# KiCad board panel.kicad_pcb (continued)
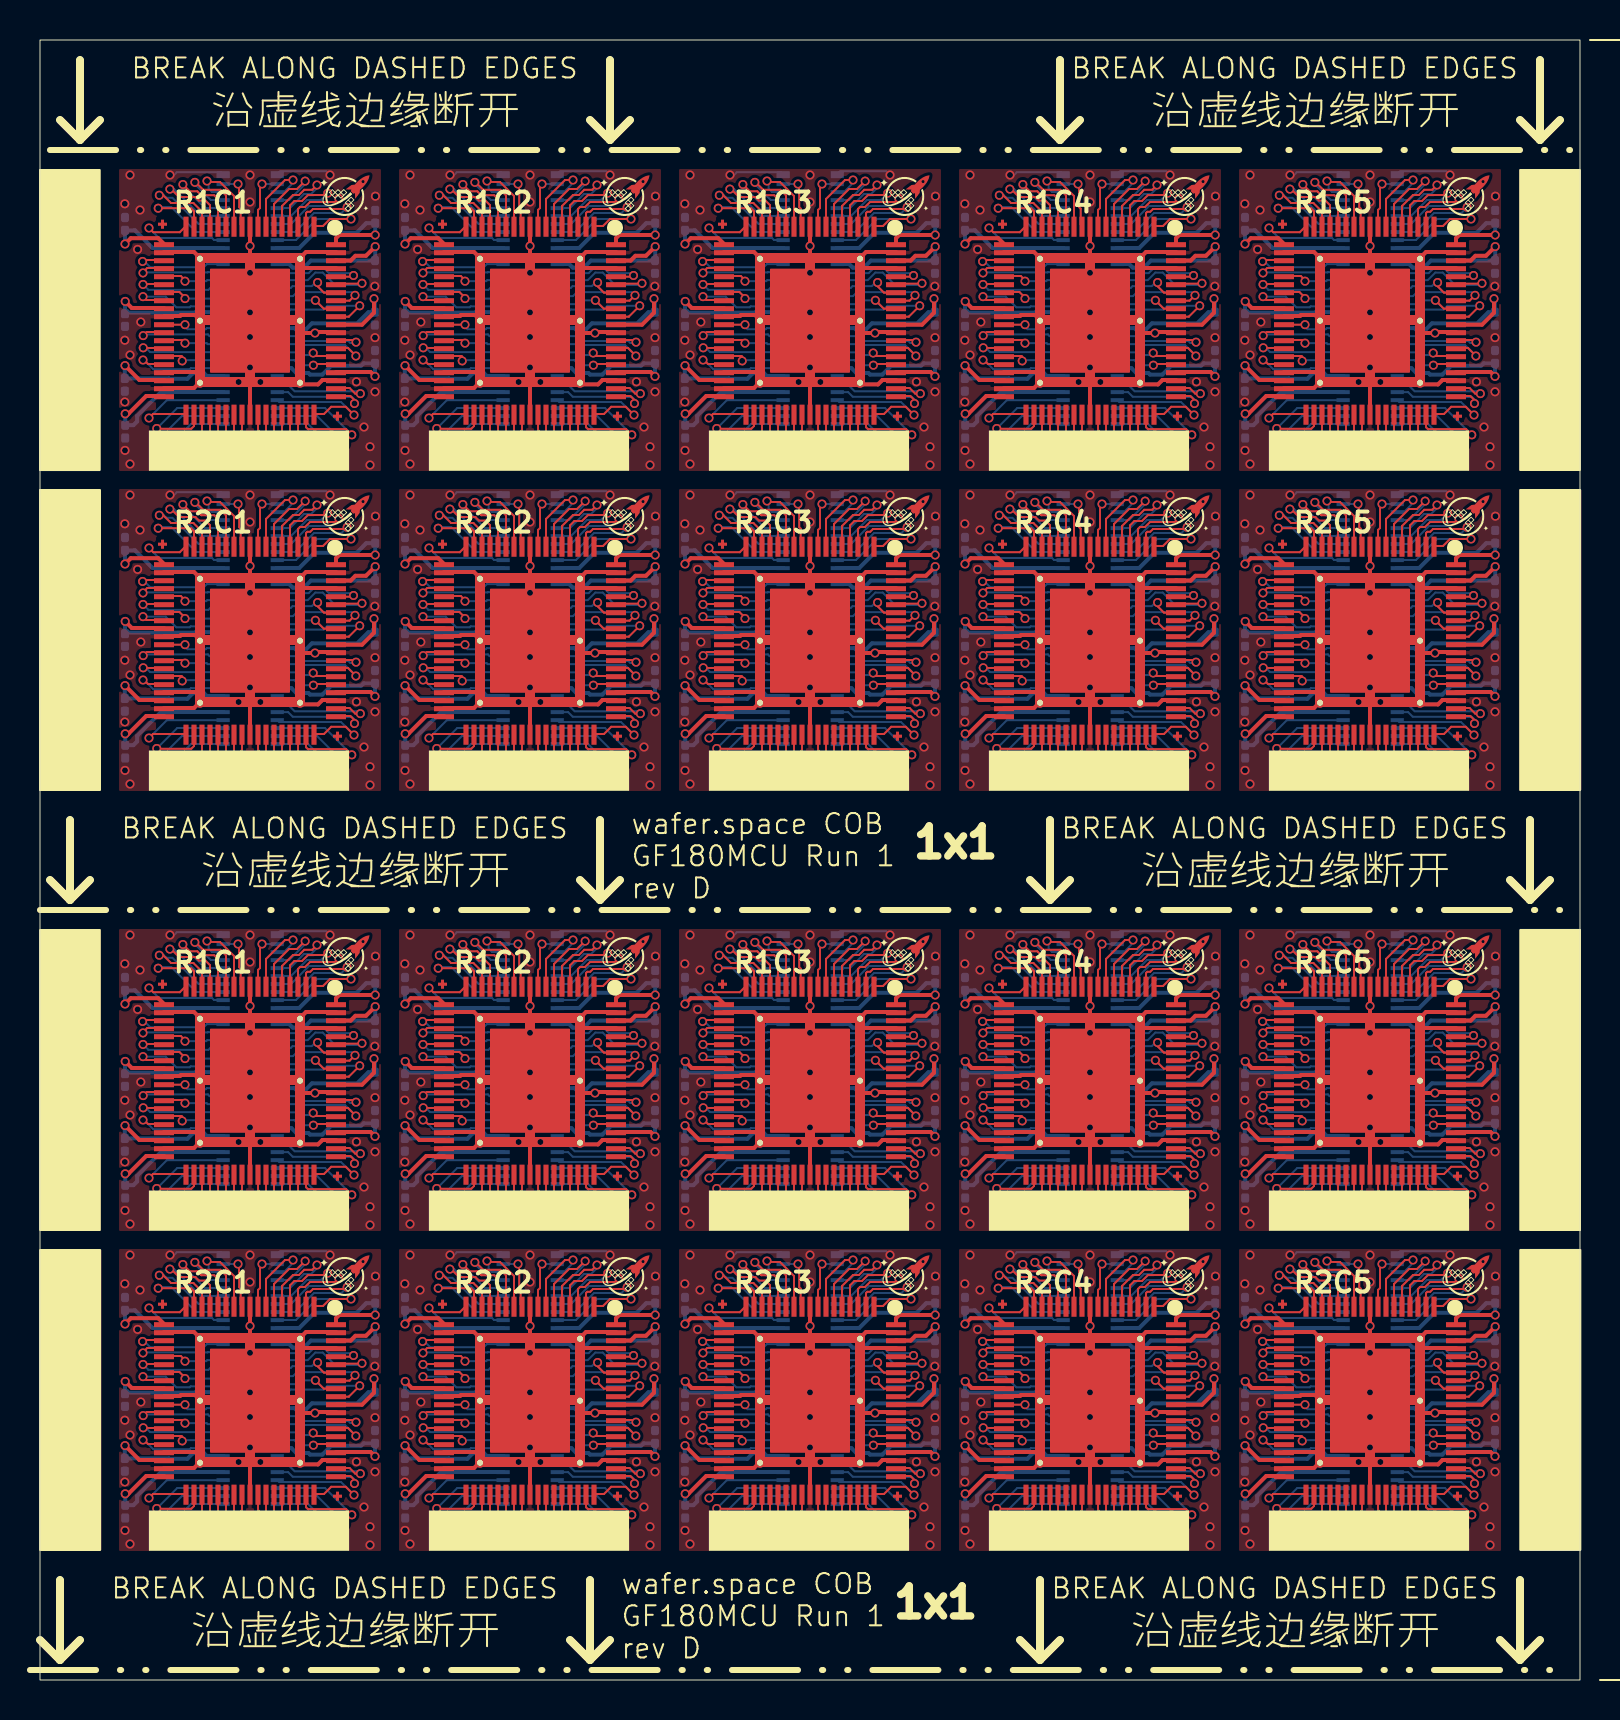
[diagram p0: board, top side]
## Routing (per net, layer and track width the routed paths; a pad name or vN(x,y) marks a point on that pad's centre or on a via; arc(x,y) is an arc through that point) (continued)
/pad_29: length 60.8
  Top w0.1: 48.2,13 49.09,13 v1(49.25,12.84) ; v1(49.25,28.84) 49.09,29 48.2,29 ; 48.2,67 49.09,67 v1(49.25,66.84) ; 6.2,67 7.09,67 v1(7.25,66.84) ; 6.2,13 7.09,13 v1(7.25,12.84) ; 20.2,51 21.09,51 v1(21.25,50.84) ; 20.2,29 21.09,29 v1(21.25,28.84) ; v1(7.25,50.84) 7.09,51 6.2,51 ; v1(7.25,28.84) 7.09,29 6.2,29 ; 34.2,67 35.09,67 v1(35.25,66.84) ; 34.2,51 35.09,51 v1(35.25,50.84) ; 62.2,51 63.09,51 v1(63.25,50.84) ; 34.2,13 35.09,13 v1(35.25,12.84) ; 62.2,67 63.09,67 v1(63.25,66.84) ; 62.2,29 63.09,29 v1(63.25,28.84) ; 62.2,13 63.09,13 v1(63.25,12.84) ; v1(21.25,12.84) 21.09,13 20.2,13 ; v1(35.25,28.84) 35.09,29 34.2,29 ; 20.2,67 21.09,67 v1(21.25,66.84) ; v1(49.25,50.84) 49.09,51 48.2,51
  Bottom w0.1: v1(7.25,28.84) 8.33,28.84 8.38,28.8 U101#2.50 ; U113.50 22.38,12.8 22.33,12.84 v1(21.25,12.84) ; v1(35.25,50.84) 36.33,50.84 36.38,50.8 U115.50 ; U109.50 64.38,66.8 64.33,66.84 v1(63.25,66.84) ; v1(49.25,12.84) 50.33,12.84 50.38,12.8 U117.50 ; v1(63.25,28.84) 64.33,28.84 64.38,28.8 U109#2.50 ; U111#2.50 8.38,12.8 8.33,12.84 v1(7.25,12.84) ; v1(49.25,66.84) 50.33,66.84 50.38,66.8 U107.50 ; U115#2.50 36.38,12.8 36.33,12.84 v1(35.25,12.84) ; U111.50 8.38,50.8 8.33,50.84 v1(7.25,50.84) ; U119#2.50 64.38,50.8 64.33,50.84 v1(63.25,50.84) ; U113#2.50 22.38,50.8 22.33,50.84 v1(21.25,50.84) ; U103.50 22.38,28.8 22.33,28.84 v1(21.25,28.84) ; U101.50 8.38,66.8 8.33,66.84 v1(7.25,66.84) ; U105.50 36.38,28.8 36.33,28.84 v1(35.25,28.84) ; v1(49.25,28.84) 50.33,28.84 50.38,28.8 U107#2.50 ; U119.50 64.38,12.8 64.33,12.84 v1(63.25,12.84) ; U105#2.50 36.38,66.8 36.33,66.84 v1(35.25,66.84) ; v1(21.25,66.84) 22.33,66.84 22.38,66.8 U103#2.50 ; v1(49.25,50.84) 50.33,50.84 50.38,50.8 U117#2.50
/pad_30: length 102.5
  Top w0.1: 62.2,28.6 61.3,28.6 61.29,28.61 v1(61.16,28.61) ; v1(33.16,50.61) 33.29,50.61 33.3,50.6 34.2,50.6 ; 6.2,28.6 5.3,28.6 5.29,28.61 v1(5.16,28.61) ; 20.2,66.6 19.3,66.6 19.29,66.61 v1(19.16,66.61) ; 48.2,12.6 47.3,12.6 47.29,12.61 v1(47.16,12.61) ; v1(5.16,50.61) 5.29,50.61 5.3,50.6 6.2,50.6 ; 48.2,28.6 47.3,28.6 47.29,28.61 v1(47.16,28.61) ; 34.2,28.6 33.3,28.6 33.29,28.61 v1(33.16,28.61) ; v1(5.16,12.61) 5.29,12.61 5.3,12.6 6.2,12.6 ; 20.2,12.6 19.3,12.6 19.29,12.61 v1(19.16,12.61) ; v1(47.16,50.61) 47.29,50.61 47.3,50.6 48.2,50.6 ; v1(47.16,66.61) 47.29,66.61 47.3,66.6 48.2,66.6 ; 34.2,12.6 33.3,12.6 33.29,12.61 v1(33.16,12.61) ; 62.2,50.6 61.3,50.6 61.29,50.61 v1(61.16,50.61) ; v1(19.16,50.61) 19.29,50.61 19.3,50.6 20.2,50.6 ; v1(61.16,12.61) 61.29,12.61 61.3,12.6 62.2,12.6 ; v1(5.16,66.61) 5.29,66.61 5.3,66.6 6.2,66.6 ; 20.2,28.6 19.3,28.6 19.29,28.61 v1(19.16,28.61) ; v1(33.16,66.61) 33.29,66.61 33.3,66.6 34.2,66.6 ; 62.2,66.6 61.3,66.6 61.29,66.61 v1(61.16,66.61)
  Bottom w0.1: v1(61.16,66.61) 61.29,66.61 61.51,66.4 U109.49 ; v1(33.16,28.61) 33.29,28.61 33.51,28.39 37.15,28.39 ; 51.15,50.39 47.51,50.39 47.29,50.61 v1(47.16,50.61) ; 65.16,28.39 61.51,28.39 61.29,28.61 v1(61.16,28.61) ; v1(33.16,12.61) 33.29,12.61 33.51,12.39 37.15,12.39 ; 23.15,28.39 19.51,28.39 19.29,28.61 v1(19.16,28.61) ; 37.15,50.39 33.51,50.39 33.29,50.61 v1(33.16,50.61) ; 51.15,12.39 47.51,12.39 47.29,12.61 v1(47.16,12.61) ; U101.49 5.51,66.4 5.29,66.61 v1(5.16,66.61) ; v1(19.16,50.61) 19.29,50.61 19.51,50.39 23.15,50.39 ; 65.16,12.39 61.51,12.39 61.29,12.61 v1(61.16,12.61) ; v1(47.16,28.61) 47.29,28.61 47.51,28.39 51.15,28.39 ; 9.15,28.39 5.51,28.39 5.29,28.61 v1(5.16,28.61) ; U105#2.49 33.51,66.4 33.29,66.61 v1(33.16,66.61) ; 9.15,12.39 5.51,12.39 5.29,12.61 v1(5.16,12.61) ; v1(19.16,66.61) 19.29,66.61 19.51,66.4 U103#2.49 ; 65.16,50.39 61.51,50.39 61.29,50.61 v1(61.16,50.61) ; 9.15,50.39 5.51,50.39 5.29,50.61 v1(5.16,50.61) ; U107.49 47.51,66.4 47.29,66.61 v1(47.16,66.61) ; v1(19.16,12.61) 19.29,12.61 19.51,12.39 23.15,12.39
/pad_31: length 63.9
  Top w0.1: 48.2,66.2 49.07,66.2 49.11,66.16 v1(49.11,65.95) ; v1(63.11,27.95) 63.11,28.16 63.07,28.2 62.2,28.2 ; 34.2,66.2 35.07,66.2 35.11,66.16 v1(35.11,65.95) ; 48.2,12.2 49.07,12.2 49.11,12.16 v1(49.11,11.95) ; 20.2,66.2 21.07,66.2 21.11,66.16 v1(21.11,65.95) ; 20.2,50.2 21.07,50.2 21.11,50.16 v1(21.11,49.95) ; 6.2,28.2 7.07,28.2 7.11,28.16 v1(7.11,27.95) ; v1(63.11,11.95) 63.11,12.16 63.07,12.2 62.2,12.2 ; 20.2,12.2 21.07,12.2 21.11,12.16 v1(21.11,11.95) ; v1(21.11,27.95) 21.11,28.16 21.07,28.2 20.2,28.2 ; v1(35.11,49.95) 35.11,50.16 35.07,50.2 34.2,50.2 ; v1(7.11,11.95) 7.11,12.16 7.07,12.2 6.2,12.2 ; 48.2,50.2 49.07,50.2 49.11,50.16 v1(49.11,49.95) ; v1(63.11,49.95) 63.11,50.16 63.07,50.2 62.2,50.2 ; v1(35.11,11.95) 35.11,12.16 35.07,12.2 34.2,12.2 ; 6.2,50.2 7.07,50.2 7.11,50.16 v1(7.11,49.95) ; 48.2,28.2 49.07,28.2 49.11,28.16 v1(49.11,27.95) ; 34.2,28.2 35.07,28.2 35.11,28.16 v1(35.11,27.95) ; 62.2,66.2 63.07,66.2 63.11,66.16 v1(63.11,65.95) ; 6.2,66.2 7.07,66.2 7.11,66.16 v1(7.11,65.95)
  Bottom w0.1: U101#2.48 7.15,28 v1(7.11,27.95) ; U107#2.48 49.15,28 v1(49.11,27.95) ; v1(35.11,27.95) 35.15,28 U105.48 ; v1(63.11,11.95) 63.15,12 U119.48 ; U111.48 7.15,50 v1(7.11,49.95) ; v1(63.11,27.95) 63.15,28 U109#2.48 ; v1(21.11,49.95) 21.15,50 U113#2.48 ; v1(35.11,11.95) 35.15,12 U115#2.48 ; v1(7.11,65.95) 7.15,66 U101.48 ; v1(49.11,49.95) 49.15,50 U117#2.48 ; v1(63.11,49.95) 63.15,50 U119#2.48 ; U115.48 35.15,50 v1(35.11,49.95) ; v1(7.11,11.95) 7.15,12 U111#2.48 ; v1(49.11,11.95) 49.15,12 U117.48 ; U103.48 21.15,28 v1(21.11,27.95) ; v1(35.11,65.95) 35.15,66 U105#2.48 ; U107.48 49.15,66 v1(49.11,65.95) ; v1(21.11,11.95) 21.15,12 U113.48 ; U103#2.48 21.15,66 v1(21.11,65.95) ; v1(63.11,65.95) 63.15,66 U109.48
/pad_32: length 107.1
  Top w0.1: v1(33.15,50) 33.2,50 33.4,49.8 34.2,49.8 ; 20.2,49.8 19.4,49.8 19.2,50 v1(19.15,50) ; 62.2,11.8 61.4,11.8 61.2,12 v1(61.15,12) ; 62.2,65.8 61.4,65.8 61.2,66 v1(61.15,66) ; 20.2,11.8 19.4,11.8 19.2,12 v1(19.15,12) ; v1(33.15,28) 33.2,28 33.4,27.8 34.2,27.8 ; 34.2,11.8 33.4,11.8 33.2,12 v1(33.15,12) ; 48.2,27.8 47.4,27.8 47.2,28 v1(47.15,28) ; 62.2,27.8 61.4,27.8 61.2,28 v1(61.15,28) ; 6.2,27.8 5.4,27.8 5.2,28 v1(5.15,28) ; 6.2,11.8 5.4,11.8 5.2,12 v1(5.15,12) ; v1(19.15,66) 19.2,66 19.4,65.8 20.2,65.8 ; 6.2,49.8 5.4,49.8 5.2,50 v1(5.15,50) ; v1(19.15,28) 19.2,28 19.4,27.8 20.2,27.8 ; v1(47.15,50) 47.2,50 47.4,49.8 48.2,49.8 ; 34.2,65.8 33.4,65.8 33.2,66 v1(33.15,66) ; 6.2,65.8 5.4,65.8 5.2,66 v1(5.15,66) ; 48.2,11.8 47.4,11.8 47.2,12 v1(47.15,12) ; v1(61.15,50) 61.2,50 61.4,49.8 62.2,49.8 ; v1(47.15,66) 47.2,66 47.4,65.8 48.2,65.8
  Bottom w0.1: U115.47 35.54,49.59 35.49,49.54 33.66,49.54 33.2,50 v1(33.15,50) ; U103.47 21.54,27.59 21.49,27.54 19.66,27.54 19.2,28 v1(19.15,28) ; v1(61.15,12) 61.2,12 61.66,11.54 63.49,11.54 63.54,11.59 U119.47 ; U107.47 49.54,65.59 49.49,65.54 47.66,65.54 47.2,66 v1(47.15,66) ; U103#2.47 21.54,65.59 21.49,65.54 19.66,65.54 19.2,66 v1(19.15,66) ; U113#2.47 21.54,49.59 21.49,49.54 19.66,49.54 19.2,50 v1(19.15,50) ; v1(47.15,12) 47.2,12 47.66,11.54 49.49,11.54 49.54,11.59 U117.47 ; v1(5.15,28) 5.2,28 5.66,27.54 7.49,27.54 7.54,27.59 U101#2.47 ; U101.47 7.54,65.59 7.49,65.54 5.66,65.54 5.2,66 v1(5.15,66) ; v1(33.15,66) 33.2,66 33.66,65.54 35.49,65.54 35.54,65.59 U105#2.47 ; U111#2.47 7.54,11.59 7.49,11.54 5.66,11.54 5.2,12 v1(5.15,12) ; v1(5.15,50) 5.2,50 5.66,49.54 7.49,49.54 7.54,49.59 U111.47 ; v1(33.15,28) 33.2,28 33.66,27.54 35.49,27.54 35.54,27.59 U105.47 ; v1(19.15,12) 19.2,12 19.66,11.54 21.49,11.54 21.54,11.59 U113.47 ; v1(61.15,28) 61.2,28 61.66,27.54 63.49,27.54 63.54,27.59 U109#2.47 ; U115#2.47 35.54,11.59 35.49,11.54 33.66,11.54 33.2,12 v1(33.15,12) ; U117#2.47 49.54,49.59 49.49,49.54 47.66,49.54 47.2,50 v1(47.15,50) ; v1(61.15,50) 61.2,50 61.66,49.54 63.49,49.54 63.54,49.59 U119#2.47 ; v1(47.15,28) 47.2,28 47.66,27.54 49.49,27.54 49.54,27.59 U107#2.47 ; v1(61.15,66) 61.2,66 61.66,65.54 63.49,65.54 63.54,65.59 U109.47
/pad_37: length 120
  Top w0.1: 7.3,25.3 5.65,25.3 v1(5.45,25.1) ; v1(61.45,47.1) 61.65,47.3 63.3,47.3 ; 49.3,47.3 47.65,47.3 v1(47.45,47.1) ; 35.3,47.3 33.65,47.3 v1(33.45,47.1) ; 7.3,9.3 5.65,9.3 v1(5.45,9.1) ; 35.3,63.3 33.65,63.3 v1(33.45,63.1) ; v1(47.45,9.1) 47.65,9.3 49.3,9.3 ; v1(5.45,63.1) 5.65,63.3 7.3,63.3 ; v1(61.45,9.1) 61.65,9.3 63.3,9.3 ; v1(33.45,25.1) 33.65,25.3 35.3,25.3 ; v1(19.45,47.1) 19.65,47.3 21.3,47.3 ; 21.3,25.3 19.65,25.3 v1(19.45,25.1) ; 21.3,63.3 19.65,63.3 v1(19.45,63.1) ; v1(47.45,25.1) 47.65,25.3 49.3,25.3 ; 49.3,63.3 47.65,63.3 v1(47.45,63.1) ; v1(33.45,9.1) 33.65,9.3 35.3,9.3 ; 63.3,63.3 61.65,63.3 v1(61.45,63.1) ; v1(5.45,47.1) 5.65,47.3 7.3,47.3 ; v1(61.45,25.1) 61.65,25.3 63.3,25.3 ; v1(19.45,9.1) 19.65,9.3 21.3,9.3
  Bottom w0.1: v1(5.45,25.1) 6.34,25.99 9.13,25.99 9.15,26 ; v1(61.45,63.1) 62.34,63.99 65.13,63.99 65.15,64 ; v1(47.45,47.1) 48.34,47.99 51.13,47.99 51.15,48 ; v1(33.45,25.1) 34.34,25.99 37.13,25.99 37.15,26 ; v1(5.45,47.1) 6.34,47.99 9.13,47.99 9.15,48 ; 37.15,48 37.13,47.99 34.34,47.99 v1(33.45,47.1) ; 65.15,26 65.13,25.99 62.34,25.99 v1(61.45,25.1) ; v1(5.45,9.1) 6.34,9.99 9.13,9.99 9.15,10 ; 51.15,64 51.13,63.99 48.34,63.99 v1(47.45,63.1) ; v1(33.45,63.1) 34.34,63.99 37.13,63.99 37.15,64 ; v1(19.45,9.1) 20.34,9.99 23.13,9.99 23.15,10 ; 51.15,26 51.13,25.99 48.34,25.99 v1(47.45,25.1) ; 65.15,10 65.13,9.99 62.34,9.99 v1(61.45,9.1) ; 37.15,10 37.13,9.99 34.34,9.99 v1(33.45,9.1) ; 23.15,26 23.13,25.99 20.34,25.99 v1(19.45,25.1) ; 23.15,64 23.13,63.99 20.34,63.99 v1(19.45,63.1) ; v1(19.45,47.1) 20.34,47.99 23.13,47.99 23.15,48 ; v1(5.45,63.1) 6.34,63.99 9.13,63.99 9.15,64 ; v1(47.45,9.1) 48.34,9.99 51.13,9.99 51.15,10 ; v1(61.45,47.1) 62.34,47.99 65.13,47.99 65.15,48
/pad_38: length 125.1
  Top w0.1: 63.7,9.3 63.7,8.7 63.56,8.56 61.85,8.56 v1(61.84,8.58) ; v1(19.84,24.58) 19.85,24.56 21.56,24.56 21.7,24.7 21.7,25.3 ; v1(61.84,46.58) 61.85,46.56 63.56,46.56 63.7,46.7 63.7,47.3 ; 35.7,63.3 35.7,62.7 35.56,62.56 33.85,62.56 v1(33.84,62.58) ; 49.7,25.3 49.7,24.7 49.56,24.56 47.85,24.56 v1(47.84,24.58) ; 35.7,9.3 35.7,8.7 35.56,8.56 33.85,8.56 v1(33.84,8.58) ; 21.7,63.3 21.7,62.7 21.56,62.56 19.85,62.56 v1(19.84,62.58) ; v1(47.84,8.58) 47.85,8.56 49.56,8.56 49.7,8.7 49.7,9.3 ; v1(33.84,46.58) 33.85,46.56 35.56,46.56 35.7,46.7 35.7,47.3 ; v1(61.84,62.58) 61.85,62.56 63.56,62.56 63.7,62.7 63.7,63.3 ; v1(5.84,46.58) 5.85,46.56 7.56,46.56 7.7,46.7 7.7,47.3 ; 21.7,47.3 21.7,46.7 21.56,46.56 19.85,46.56 v1(19.84,46.58) ; 7.7,63.3 7.7,62.7 7.56,62.56 5.85,62.56 v1(5.84,62.58) ; 35.7,25.3 35.7,24.7 35.56,24.56 33.85,24.56 v1(33.84,24.58) ; 49.7,63.3 49.7,62.7 49.56,62.56 47.85,62.56 v1(47.84,62.58) ; 21.7,9.3 21.7,8.7 21.56,8.56 19.85,8.56 v1(19.84,8.58) ; 49.7,47.3 49.7,46.7 49.56,46.56 47.85,46.56 v1(47.84,46.58) ; v1(61.84,24.58) 61.85,24.56 63.56,24.56 63.7,24.7 63.7,25.3 ; 7.7,9.3 7.7,8.7 7.56,8.56 5.85,8.56 v1(5.84,8.58) ; 7.7,25.3 7.7,24.7 7.56,24.56 5.85,24.56 v1(5.84,24.58)
  Bottom w0.1: v1(19.84,8.58) 20.86,9.6 23.15,9.6 ; v1(5.84,62.58) 6.86,63.6 9.15,63.6 ; v1(33.84,46.58) 34.86,47.6 37.15,47.6 ; v1(47.84,46.58) 48.86,47.6 51.15,47.6 ; v1(19.84,62.58) 20.86,63.6 23.15,63.6 ; v1(61.84,62.58) 62.86,63.6 65.15,63.6 ; v1(33.84,62.58) 34.86,63.6 37.15,63.6 ; v1(5.84,46.58) 6.86,47.6 9.15,47.6 ; v1(47.84,62.58) 48.86,63.6 51.15,63.6 ; 23.15,47.6 20.86,47.6 v1(19.84,46.58) ; v1(47.84,8.58) 48.86,9.6 51.15,9.6 ; v1(19.84,24.58) 20.86,25.6 23.15,25.6 ; v1(61.84,46.58) 62.86,47.6 65.15,47.6 ; 65.15,25.6 62.86,25.6 v1(61.84,24.58) ; 65.15,9.6 62.86,9.6 v1(61.84,8.58) ; 37.15,25.6 34.86,25.6 v1(33.84,24.58) ; v1(33.84,8.58) 34.86,9.6 37.15,9.6 ; v1(5.84,8.58) 6.86,9.6 9.15,9.6 ; v1(47.84,24.58) 48.86,25.6 51.15,25.6 ; v1(5.84,24.58) 6.86,25.6 9.15,25.6
/pad_39: length 138.3
  Top w0.1: v1(47.98,23.98) 48.3,24.3 50,24.3 50.1,24.4 50.1,25.3 ; v1(33.98,23.98) 34.3,24.3 36,24.3 36.1,24.4 36.1,25.3 ; 8.1,63.3 8.1,62.4 8,62.3 6.3,62.3 v1(5.98,61.98) ; 50.1,9.3 50.1,8.4 50,8.3 48.3,8.3 v1(47.98,7.98) ; 8.1,25.3 8.1,24.4 8,24.3 6.3,24.3 v1(5.98,23.98) ; v1(61.98,61.98) 62.3,62.3 64,62.3 64.1,62.4 64.1,63.3 ; 22.1,63.3 22.1,62.4 22,62.3 20.3,62.3 v1(19.98,61.98) ; v1(61.98,45.98) 62.3,46.3 64,46.3 64.1,46.4 64.1,47.3 ; 64.1,25.3 64.1,24.4 64,24.3 62.3,24.3 v1(61.98,23.98) ; 64.1,9.3 64.1,8.4 64,8.3 62.3,8.3 v1(61.98,7.98) ; 8.1,47.3 8.1,46.4 8,46.3 6.3,46.3 v1(5.98,45.98) ; v1(33.98,61.98) 34.3,62.3 36,62.3 36.1,62.4 36.1,63.3 ; v1(47.98,61.98) 48.3,62.3 50,62.3 50.1,62.4 50.1,63.3 ; 22.1,47.3 22.1,46.4 22,46.3 20.3,46.3 v1(19.98,45.98) ; v1(33.98,7.98) 34.3,8.3 36,8.3 36.1,8.4 36.1,9.3 ; v1(19.98,23.98) 20.3,24.3 22,24.3 22.1,24.4 22.1,25.3 ; v1(19.98,7.98) 20.3,8.3 22,8.3 22.1,8.4 22.1,9.3 ; 36.1,47.3 36.1,46.4 36,46.3 34.3,46.3 v1(33.98,45.98) ; 50.1,47.3 50.1,46.4 50,46.3 48.3,46.3 v1(47.98,45.98) ; 8.1,9.3 8.1,8.4 8,8.3 6.3,8.3 v1(5.98,7.98)
  Bottom w0.1: 51.15,63.2 49.1,63.2 47.98,62.08 v1(47.98,61.98) ; v1(33.98,23.98) 33.98,24.08 35.1,25.2 37.15,25.2 ; v1(61.98,23.98) 61.98,24.08 63.1,25.2 65.15,25.2 ; 51.15,25.2 49.1,25.2 47.98,24.08 v1(47.98,23.98) ; v1(47.98,45.98) 47.98,46.08 49.1,47.2 51.15,47.2 ; 65.15,9.2 63.1,9.2 61.98,8.08 v1(61.98,7.98) ; 37.15,63.2 35.1,63.2 33.98,62.08 v1(33.98,61.98) ; v1(61.98,45.98) 61.98,46.08 63.1,47.2 65.15,47.2 ; 23.15,47.2 21.1,47.2 19.98,46.08 v1(19.98,45.98) ; 37.15,47.2 35.1,47.2 33.98,46.08 v1(33.98,45.98) ; v1(5.98,45.98) 5.98,46.08 7.1,47.2 9.15,47.2 ; v1(19.98,61.98) 19.98,62.08 21.1,63.2 23.15,63.2 ; v1(19.98,23.98) 19.98,24.08 21.1,25.2 23.15,25.2 ; 65.15,63.2 63.1,63.2 61.98,62.08 v1(61.98,61.98) ; v1(19.98,7.98) 19.98,8.08 21.1,9.2 23.15,9.2 ; 51.15,9.2 49.1,9.2 47.98,8.08 v1(47.98,7.98) ; 9.15,63.2 7.1,63.2 5.98,62.08 v1(5.98,61.98) ; v1(33.98,7.98) 33.98,8.08 35.1,9.2 37.15,9.2 ; v1(5.98,23.98) 5.98,24.08 7.1,25.2 9.15,25.2 ; v1(5.98,7.98) 5.98,8.08 7.1,9.2 9.15,9.2
/pad_40: length 122.3
  Top w0.1: 36.5,63.3 36.5,62.3 36.2,62 34.75,62 v1(34.57,61.82) ; 50.5,25.3 50.5,24.3 50.2,24 48.75,24 v1(48.57,23.82) ; 8.5,9.3 8.5,8.3 8.2,8 6.75,8 v1(6.57,7.82) ; v1(20.57,61.82) 20.75,62 22.2,62 22.5,62.3 22.5,63.3 ; v1(48.57,45.82) 48.75,46 50.2,46 50.5,46.3 50.5,47.3 ; 36.5,25.3 36.5,24.3 36.2,24 34.75,24 v1(34.57,23.82) ; v1(62.57,61.82) 62.75,62 64.2,62 64.5,62.3 64.5,63.3 ; v1(34.57,45.82) 34.75,46 36.2,46 36.5,46.3 36.5,47.3 ; v1(20.57,23.82) 20.75,24 22.2,24 22.5,24.3 22.5,25.3 ; 8.5,63.3 8.5,62.3 8.2,62 6.75,62 v1(6.57,61.82) ; v1(48.57,7.82) 48.75,8 50.2,8 50.5,8.3 50.5,9.3 ; 64.5,9.3 64.5,8.3 64.2,8 62.75,8 v1(62.57,7.82) ; v1(6.57,23.82) 6.75,24 8.2,24 8.5,24.3 8.5,25.3 ; 22.5,47.3 22.5,46.3 22.2,46 20.75,46 v1(20.57,45.82) ; v1(48.57,61.82) 48.75,62 50.2,62 50.5,62.3 50.5,63.3 ; 36.5,9.3 36.5,8.3 36.2,8 34.75,8 v1(34.57,7.82) ; 8.5,47.3 8.5,46.3 8.2,46 6.75,46 v1(6.57,45.82) ; 64.5,25.3 64.5,24.3 64.2,24 62.75,24 v1(62.57,23.82) ; v1(20.57,7.82) 20.75,8 22.2,8 22.5,8.3 22.5,9.3 ; 64.5,47.3 64.5,46.3 64.2,46 62.75,46 v1(62.57,45.82)
  Bottom w0.1: 9.15,24.8 7.55,24.8 v1(6.57,23.82) ; 9.15,46.8 7.55,46.8 v1(6.57,45.82) ; v1(62.57,23.82) 63.55,24.8 65.15,24.8 ; v1(62.57,61.82) 63.55,62.8 65.15,62.8 ; v1(48.57,61.82) 49.55,62.8 51.15,62.8 ; v1(6.57,61.82) 7.55,62.8 9.15,62.8 ; v1(34.57,61.82) 35.55,62.8 37.15,62.8 ; v1(48.57,23.82) 49.55,24.8 51.15,24.8 ; v1(34.57,7.82) 35.55,8.8 37.15,8.8 ; v1(34.57,45.82) 35.55,46.8 37.15,46.8 ; v1(20.57,7.82) 21.55,8.8 23.15,8.8 ; v1(6.57,7.82) 7.55,8.8 9.15,8.8 ; 23.15,62.8 21.55,62.8 v1(20.57,61.82) ; v1(48.57,45.82) 49.55,46.8 51.15,46.8 ; 65.15,46.8 63.55,46.8 v1(62.57,45.82) ; v1(20.57,23.82) 21.55,24.8 23.15,24.8 ; v1(20.57,45.82) 21.55,46.8 23.15,46.8 ; v1(48.57,7.82) 49.55,8.8 51.15,8.8 ; 37.15,24.8 35.55,24.8 v1(34.57,23.82) ; 65.15,8.8 63.55,8.8 v1(62.57,7.82)
/pad_41: length 111
  Top w0.1: 64.9,63.3 64.9,62.25 64.35,61.7 63.28,61.7 v1(63.1,61.52) ; 22.9,9.3 22.9,8.25 22.35,7.7 21.28,7.7 v1(21.1,7.52) ; 8.9,9.3 8.9,8.25 8.35,7.7 7.28,7.7 v1(7.1,7.52) ; v1(63.1,23.52) 63.28,23.7 64.35,23.7 64.9,24.25 64.9,25.3 ; v1(7.1,23.52) 7.28,23.7 8.35,23.7 8.9,24.25 8.9,25.3 ; 50.9,63.3 50.9,62.25 50.35,61.7 49.28,61.7 v1(49.1,61.52) ; v1(63.1,45.52) 63.28,45.7 64.35,45.7 64.9,46.25 64.9,47.3 ; 8.9,63.3 8.9,62.25 8.35,61.7 7.28,61.7 v1(7.1,61.52) ; v1(49.1,7.52) 49.28,7.7 50.35,7.7 50.9,8.25 50.9,9.3 ; 50.9,25.3 50.9,24.25 50.35,23.7 49.28,23.7 v1(49.1,23.52) ; 64.9,9.3 64.9,8.25 64.35,7.7 63.28,7.7 v1(63.1,7.52) ; v1(21.1,61.52) 21.28,61.7 22.35,61.7 22.9,62.25 22.9,63.3 ; v1(21.1,45.52) 21.28,45.7 22.35,45.7 22.9,46.25 22.9,47.3 ; 36.9,25.3 36.9,24.25 36.35,23.7 35.28,23.7 v1(35.1,23.52) ; 36.9,63.3 36.9,62.25 36.35,61.7 35.28,61.7 v1(35.1,61.52) ; 36.9,9.3 36.9,8.25 36.35,7.7 35.28,7.7 v1(35.1,7.52) ; v1(21.1,23.52) 21.28,23.7 22.35,23.7 22.9,24.25 22.9,25.3 ; v1(7.1,45.52) 7.28,45.7 8.35,45.7 8.9,46.25 8.9,47.3 ; v1(49.1,45.52) 49.28,45.7 50.35,45.7 50.9,46.25 50.9,47.3 ; v1(35.1,45.52) 35.28,45.7 36.35,45.7 36.9,46.25 36.9,47.3
  Bottom w0.1: 51.15,62.4 49.98,62.4 v1(49.1,61.52) ; 23.15,46.4 21.98,46.4 v1(21.1,45.52) ; 9.15,62.4 7.98,62.4 v1(7.1,61.52) ; v1(49.1,45.52) 49.98,46.4 51.15,46.4 ; 23.15,24.4 21.98,24.4 v1(21.1,23.52) ; v1(35.1,61.52) 35.98,62.4 37.15,62.4 ; v1(7.1,7.52) 7.98,8.4 9.15,8.4 ; 51.15,24.4 49.98,24.4 v1(49.1,23.52) ; 51.15,8.4 49.98,8.4 v1(49.1,7.52) ; v1(21.1,61.52) 21.98,62.4 23.15,62.4 ; v1(63.1,23.52) 63.98,24.4 65.15,24.4 ; v1(35.1,23.52) 35.98,24.4 37.15,24.4 ; v1(35.1,45.52) 35.98,46.4 37.15,46.4 ; 9.15,24.4 7.98,24.4 v1(7.1,23.52) ; v1(7.1,45.52) 7.98,46.4 9.15,46.4 ; v1(21.1,7.52) 21.98,8.4 23.15,8.4 ; 65.15,8.4 63.98,8.4 v1(63.1,7.52) ; v1(63.1,61.52) 63.98,62.4 65.15,62.4 ; 65.15,46.4 63.98,46.4 v1(63.1,45.52) ; v1(35.1,7.52) 35.98,8.4 37.15,8.4
/pad_42: length 98.7
  Top w0.1: v1(49.65,61.25) 49.84,61.44 50.51,61.44 51.3,62.22 51.3,63.3 ; 37.3,25.3 37.3,24.22 36.51,23.44 35.84,23.44 v1(35.65,23.25) ; 9.3,25.3 9.3,24.22 8.51,23.44 7.84,23.44 v1(7.65,23.25) ; v1(35.65,45.25) 35.84,45.44 36.51,45.44 37.3,46.22 37.3,47.3 ; v1(21.65,61.25) 21.84,61.44 22.51,61.44 23.3,62.22 23.3,63.3 ; 9.3,63.3 9.3,62.22 8.51,61.44 7.84,61.44 v1(7.65,61.25) ; 9.3,47.3 9.3,46.22 8.51,45.44 7.84,45.44 v1(7.65,45.25) ; 51.3,9.3 51.3,8.22 50.51,7.44 49.84,7.44 v1(49.65,7.25) ; v1(49.65,45.25) 49.84,45.44 50.51,45.44 51.3,46.22 51.3,47.3 ; 65.3,9.3 65.3,8.22 64.51,7.44 63.84,7.44 v1(63.65,7.25) ; v1(21.65,7.25) 21.84,7.44 22.51,7.44 23.3,8.22 23.3,9.3 ; v1(21.65,23.25) 21.84,23.44 22.51,23.44 23.3,24.22 23.3,25.3 ; v1(7.65,7.25) 7.84,7.44 8.51,7.44 9.3,8.22 9.3,9.3 ; 65.3,47.3 65.3,46.22 64.51,45.44 63.84,45.44 v1(63.65,45.25) ; v1(63.65,61.25) 63.84,61.44 64.51,61.44 65.3,62.22 65.3,63.3 ; v1(49.65,23.25) 49.84,23.44 50.51,23.44 51.3,24.22 51.3,25.3 ; 37.3,63.3 37.3,62.22 36.51,61.44 35.84,61.44 v1(35.65,61.25) ; 65.3,25.3 65.3,24.22 64.51,23.44 63.84,23.44 v1(63.65,23.25) ; 37.3,9.3 37.3,8.22 36.51,7.44 35.84,7.44 v1(35.65,7.25) ; 23.3,47.3 23.3,46.22 22.51,45.44 21.84,45.44 v1(21.65,45.25)
  Bottom w0.1: 65.15,46 64.7,46 64.25,45.55 63.95,45.55 v1(63.65,45.25) ; 65.15,24 64.7,24 64.25,23.55 63.95,23.55 v1(63.65,23.25) ; 23.15,62 22.7,62 22.25,61.55 21.95,61.55 v1(21.65,61.25) ; 37.15,8 36.7,8 36.25,7.55 35.95,7.55 v1(35.65,7.25) ; v1(49.65,23.25) 49.95,23.55 50.25,23.55 50.7,24 51.15,24 ; 9.15,46 8.7,46 8.25,45.55 7.95,45.55 v1(7.65,45.25) ; 23.15,24 22.7,24 22.25,23.55 21.95,23.55 v1(21.65,23.25) ; v1(63.65,7.25) 63.95,7.55 64.25,7.55 64.7,8 65.15,8 ; v1(35.65,61.25) 35.95,61.55 36.25,61.55 36.7,62 37.15,62 ; 23.15,8 22.7,8 22.25,7.55 21.95,7.55 v1(21.65,7.25) ; 37.15,46 36.7,46 36.25,45.55 35.95,45.55 v1(35.65,45.25) ; 37.15,24 36.7,24 36.25,23.55 35.95,23.55 v1(35.65,23.25) ; 9.15,8 8.7,8 8.25,7.55 7.95,7.55 v1(7.65,7.25) ; v1(7.65,61.25) 7.95,61.55 8.25,61.55 8.7,62 9.15,62 ; 51.15,8 50.7,8 50.25,7.55 49.95,7.55 v1(49.65,7.25) ; 51.15,46 50.7,46 50.25,45.55 49.95,45.55 v1(49.65,45.25) ; 51.15,62 50.7,62 50.25,61.55 49.95,61.55 v1(49.65,61.25) ; v1(7.65,23.25) 7.95,23.55 8.25,23.55 8.7,24 9.15,24 ; v1(21.65,45.25) 21.95,45.55 22.25,45.55 22.7,46 23.15,46 ; 65.15,62 64.7,62 64.25,61.55 63.95,61.55 v1(63.65,61.25)
/pad_43: length 87
  Top w0.1: 37.7,63.3 37.7,62.2 36.5,61 36.21,61 v1(36.2,61) ; v1(36.2,7) 36.21,7 36.5,7 37.7,8.2 37.7,9.3 ; 51.7,9.3 51.7,8.2 50.5,7 50.21,7 v1(50.2,7) ; v1(8.2,45) 8.21,45 8.5,45 9.7,46.2 9.7,47.3 ; v1(22.2,7) 22.21,7 22.5,7 23.7,8.2 23.7,9.3 ; v1(36.2,45) 36.21,45 36.5,45 37.7,46.2 37.7,47.3 ; 51.7,63.3 51.7,62.2 50.5,61 50.21,61 v1(50.2,61) ; v1(22.2,23) 22.21,23 22.5,23 23.7,24.2 23.7,25.3 ; v1(64.2,45) 64.21,45 64.5,45 65.7,46.2 65.7,47.3 ; v1(50.2,23) 50.21,23 50.5,23 51.7,24.2 51.7,25.3 ; 65.7,9.3 65.7,8.2 64.5,7 64.21,7 v1(64.2,7) ; v1(8.2,7) 8.21,7 8.5,7 9.7,8.2 9.7,9.3 ; 51.7,47.3 51.7,46.2 50.5,45 50.21,45 v1(50.2,45) ; v1(22.2,61) 22.21,61 22.5,61 23.7,62.2 23.7,63.3 ; v1(36.2,23) 36.21,23 36.5,23 37.7,24.2 37.7,25.3 ; v1(8.2,61) 8.21,61 8.5,61 9.7,62.2 9.7,63.3 ; v1(22.2,45) 22.21,45 22.5,45 23.7,46.2 23.7,47.3 ; 9.7,25.3 9.7,24.2 8.5,23 8.21,23 v1(8.2,23) ; 65.7,63.3 65.7,62.2 64.5,61 64.21,61 v1(64.2,61) ; 65.7,25.3 65.7,24.2 64.5,23 64.21,23 v1(64.2,23)
  Bottom w0.1: 23.15,45.6 22.7,45.6 22.3,45.2 22.3,45.09 v1(22.2,45) ; v1(36.2,23) 36.3,23.09 36.3,23.2 36.7,23.6 37.15,23.6 ; 65.15,45.6 64.7,45.6 64.3,45.2 64.3,45.09 v1(64.2,45) ; 65.15,23.6 64.7,23.6 64.3,23.2 64.3,23.09 v1(64.2,23) ; 23.15,23.6 22.7,23.6 22.3,23.2 22.3,23.09 v1(22.2,23) ; v1(50.2,23) 50.3,23.09 50.3,23.2 50.7,23.6 51.15,23.6 ; 9.15,23.6 8.7,23.6 8.3,23.2 8.3,23.09 v1(8.2,23) ; v1(8.2,7) 8.3,7.09 8.3,7.2 8.7,7.6 9.15,7.6 ; v1(22.2,7) 22.3,7.09 22.3,7.2 22.7,7.6 23.15,7.6 ; 51.15,61.6 50.7,61.6 50.3,61.2 50.3,61.09 v1(50.2,61) ; v1(64.2,7) 64.3,7.09 64.3,7.2 64.7,7.6 65.15,7.6 ; v1(50.2,45) 50.3,45.09 50.3,45.2 50.7,45.6 51.15,45.6 ; v1(8.2,45) 8.3,45.09 8.3,45.2 8.7,45.6 9.15,45.6 ; v1(8.2,61) 8.3,61.09 8.3,61.2 8.7,61.6 9.15,61.6 ; 65.15,61.6 64.7,61.6 64.3,61.2 64.3,61.09 v1(64.2,61) ; v1(36.2,61) 36.3,61.09 36.3,61.2 36.7,61.6 37.15,61.6 ; 37.15,45.6 36.7,45.6 36.3,45.2 36.3,45.09 v1(36.2,45) ; 51.15,7.6 50.7,7.6 50.3,7.2 50.3,7.09 v1(50.2,7) ; v1(22.2,61) 22.3,61.09 22.3,61.2 22.7,61.6 23.15,61.6 ; 37.15,7.6 36.7,7.6 36.3,7.2 36.3,7.09 v1(36.2,7)
/pad_44: length 57.6
  Top w0.1: v1(65.8,61.2) 65.8,61.93 65.96,62.09 65.96,62.36 66.1,62.5 66.1,63.3 ; 66.1,47.3 66.1,46.5 65.96,46.36 65.96,46.09 65.8,45.93 v1(65.8,45.2) ; 24.1,9.3 24.1,8.5 23.96,8.36 23.96,8.09 23.8,7.93 v1(23.8,7.2) ; v1(51.8,23.2) 51.8,23.93 51.96,24.09 51.96,24.36 52.1,24.5 52.1,25.3 ; v1(9.8,23.2) 9.8,23.93 9.96,24.09 9.96,24.36 10.1,24.5 10.1,25.3 ; v1(37.8,45.2) 37.8,45.93 37.96,46.09 37.96,46.36 38.1,46.5 38.1,47.3 ; 24.1,47.3 24.1,46.5 23.96,46.36 23.96,46.09 23.8,45.93 v1(23.8,45.2) ; v1(23.8,61.2) 23.8,61.93 23.96,62.09 23.96,62.36 24.1,62.5 24.1,63.3 ; 66.1,25.3 66.1,24.5 65.96,24.36 65.96,24.09 65.8,23.93 v1(65.8,23.2) ; 38.1,25.3 38.1,24.5 37.96,24.36 37.96,24.09 37.8,23.93 v1(37.8,23.2) ; 24.1,25.3 24.1,24.5 23.96,24.36 23.96,24.09 23.8,23.93 v1(23.8,23.2) ; 52.1,63.3 52.1,62.5 51.96,62.36 51.96,62.09 51.8,61.93 v1(51.8,61.2) ; v1(37.8,7.2) 37.8,7.93 37.96,8.09 37.96,8.36 38.1,8.5 38.1,9.3 ; 10.1,63.3 10.1,62.5 9.96,62.36 9.96,62.09 9.8,61.93 v1(9.8,61.2) ; v1(65.8,7.2) 65.8,7.93 65.96,8.09 65.96,8.36 66.1,8.5 66.1,9.3 ; v1(9.8,7.2) 9.8,7.93 9.96,8.09 9.96,8.36 10.1,8.5 10.1,9.3 ; 38.1,63.3 38.1,62.5 37.96,62.36 37.96,62.09 37.8,61.93 v1(37.8,61.2) ; 10.1,47.3 10.1,46.5 9.96,46.36 9.96,46.09 9.8,45.93 v1(9.8,45.2) ; 52.1,47.3 52.1,46.5 51.96,46.36 51.96,46.09 51.8,45.93 v1(51.8,45.2) ; v1(51.8,7.2) 51.8,7.93 51.96,8.09 51.96,8.36 52.1,8.5 52.1,9.3
  Bottom w0.1: v1(51.8,23.2) 51.15,23.2 ; v1(51.8,7.2) 51.15,7.2 ; v1(65.8,61.2) 65.15,61.2 ; v1(65.8,45.2) 65.15,45.2 ; v1(37.8,61.2) 37.15,61.2 ; v1(23.8,23.2) 23.15,23.2 ; v1(37.8,45.2) 37.15,45.2 ; v1(37.8,7.2) 37.15,7.2 ; v1(23.8,45.2) 23.15,45.2 ; v1(65.8,23.2) 65.15,23.2 ; v1(65.8,7.2) 65.15,7.2 ; v1(51.8,45.2) 51.15,45.2 ; v1(9.8,23.2) 9.15,23.2 ; v1(23.8,7.2) 23.15,7.2 ; v1(51.8,61.2) 51.15,61.2 ; v1(9.8,7.2) 9.15,7.2 ; v1(9.8,45.2) 9.15,45.2 ; v1(37.8,23.2) 37.15,23.2 ; v1(9.8,61.2) 9.15,61.2 ; v1(23.8,61.2) 23.15,61.2
